# Altium PCB Xavier_NX_Carrier_Board_v1.1.PcbDoc (part 3 of 6) (continued)
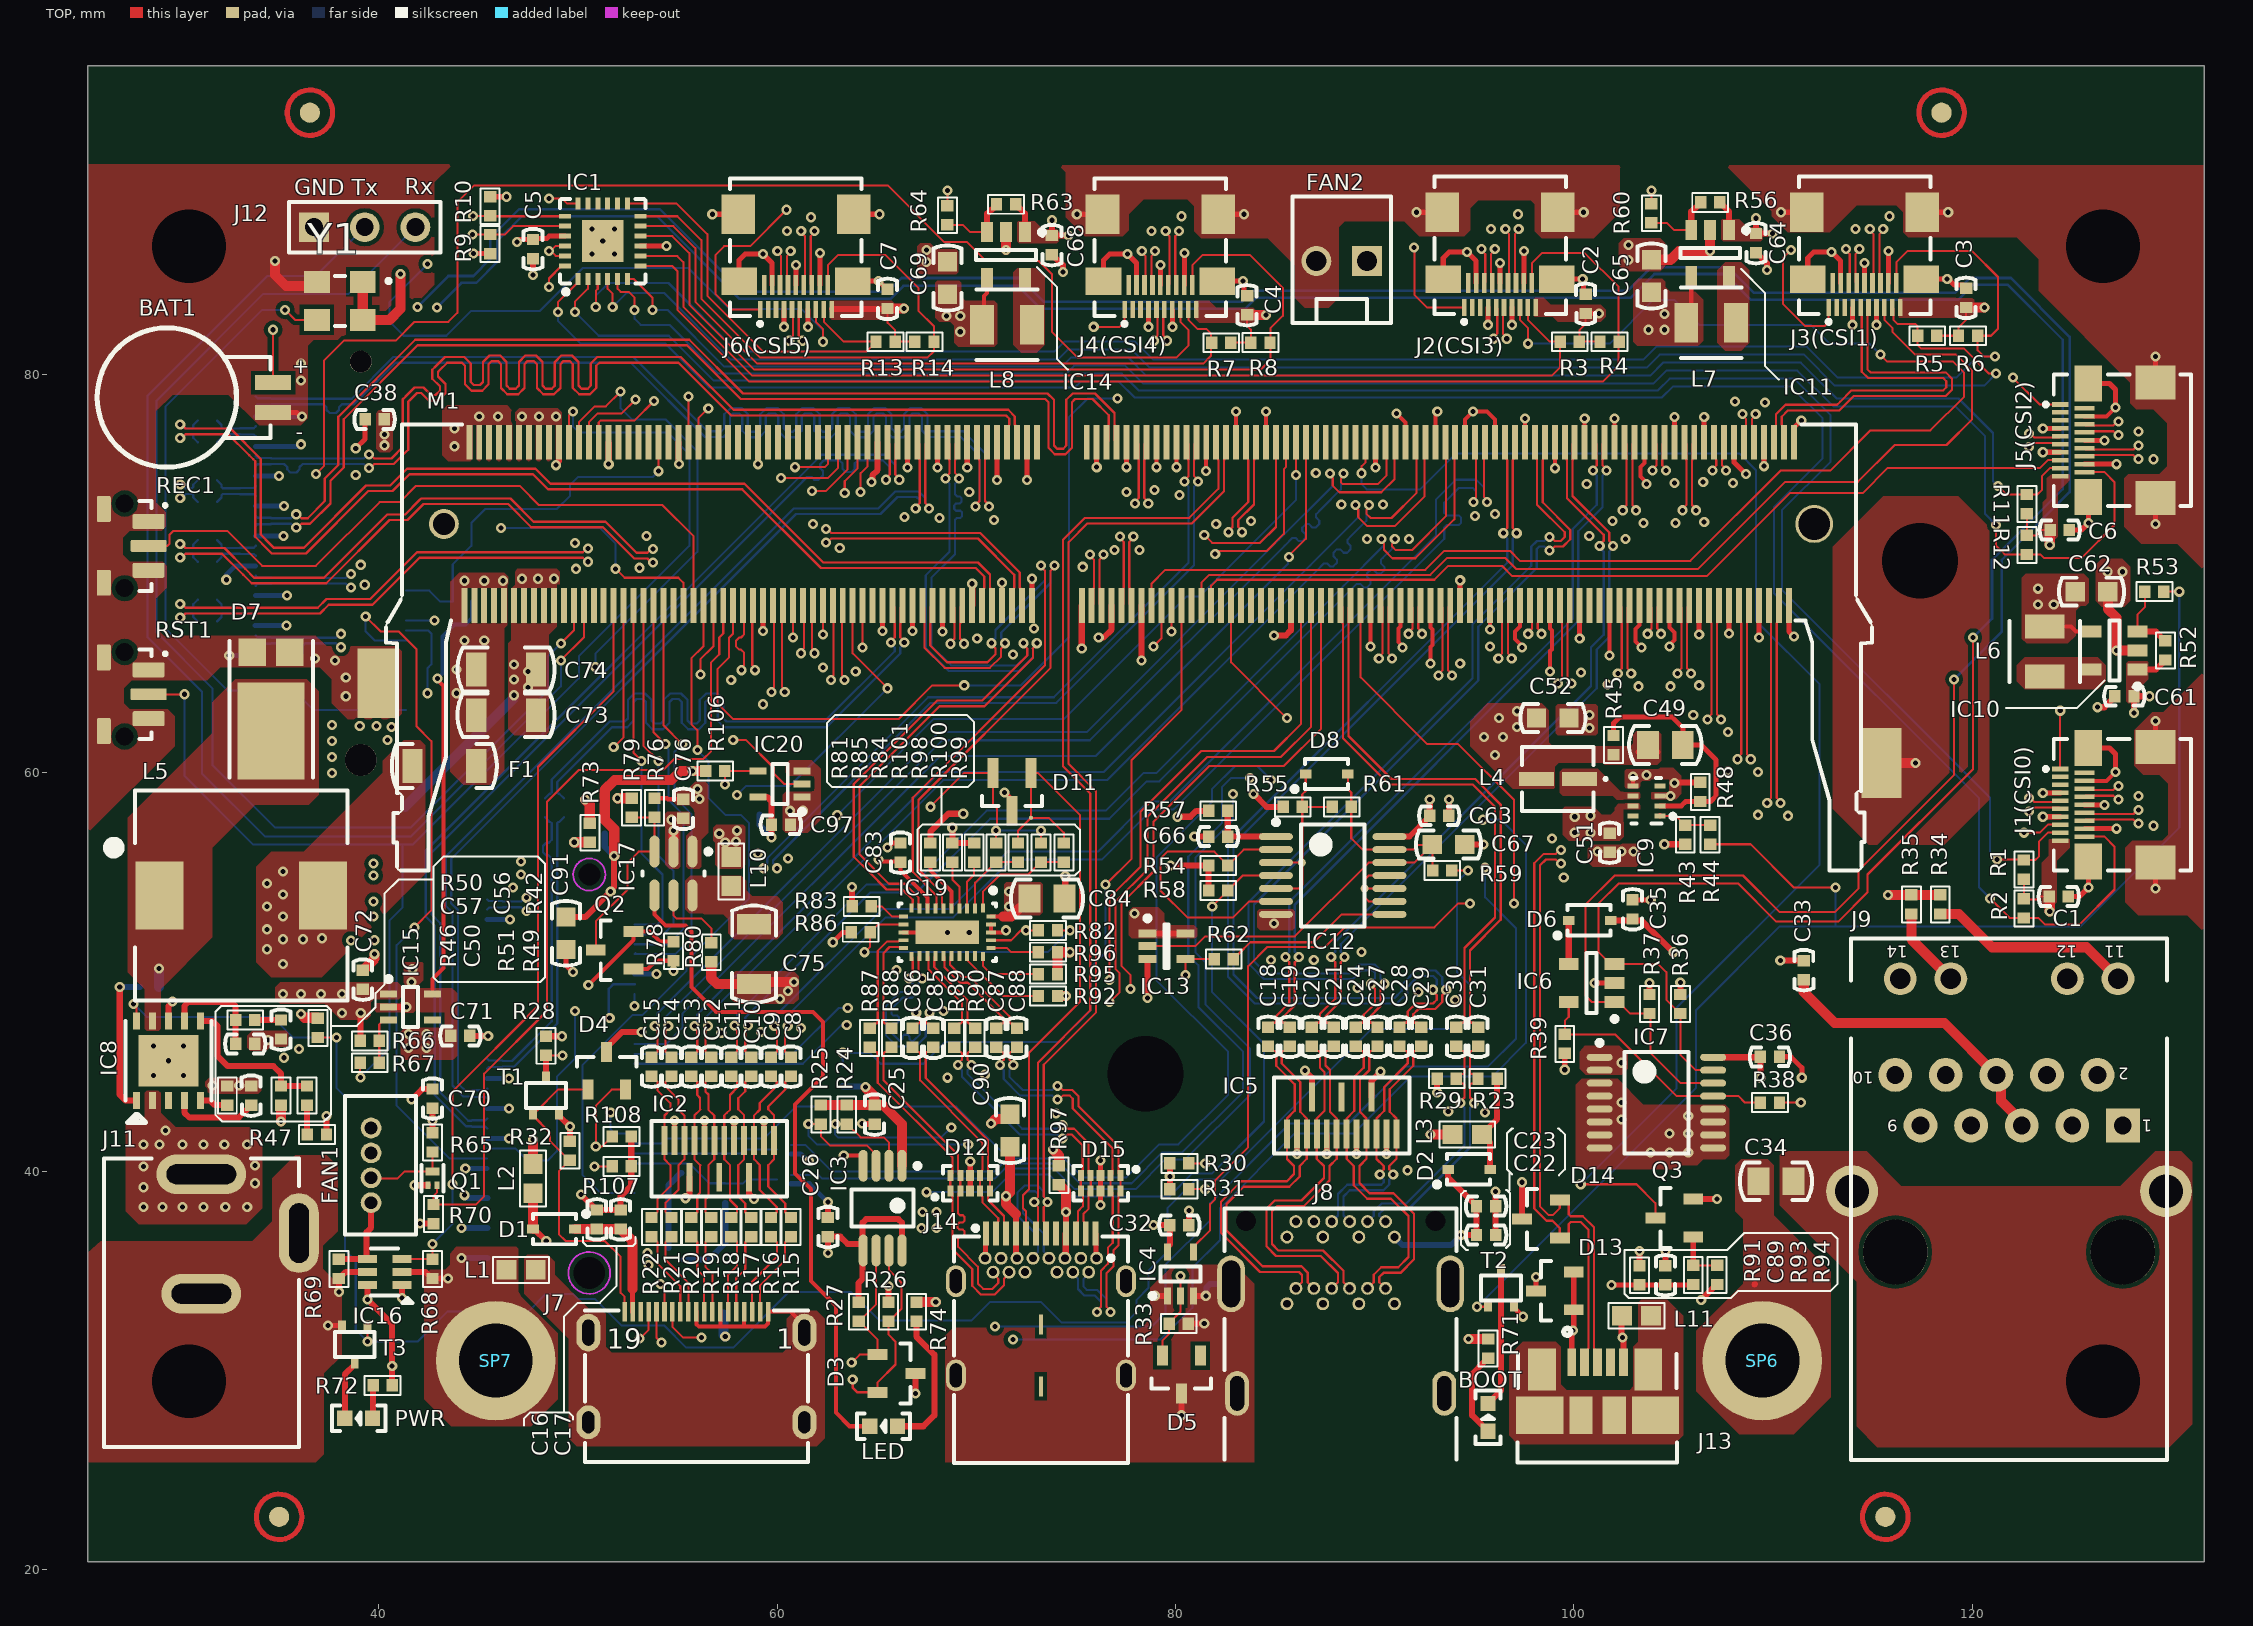
[diagram p0: TOP view]
## Nets (pads, with @x,y where several pads share a name; then routed paths per layer and width w, separated by ;. In a path a pad name is that pad's centre, name@x,y a point inside that pad or via, vN(x,y) a via of type N, cw(c..) or ccw(c..) an arc to the next point about the centre after c; other vN are vias at no path point) (continued)
  TOP w0.102: v1(48.55,86.2) v1@48.625,86.2 ; v1(48.55,88.85) 49.2,88.85 49.45,88.6 IC1.18@50,88.6 ; IC1.23@49.35,85.95 49.338,85.962 48.887,85.962 48.649,86.2 v1@48.625,86.2 ; IC1.22@49.35,86.45 48.875,86.45 v1@48.625,86.2
  TOP w0.203: v1(63.35,40.8) 64.211,40.8 64.325,40.686 IC3.4@64.325,40.275 ; IC19.13@66.35,52 v1(68.55,52) ; IC19.29@70.75,52.4 IC19.28@70.75,52 71.4,52 v1(71.5,52.1) ; M1.152@71.3,68.4 v1(71.3,69.55) ; v1(79.05,75.35) M1.129@79.05,76.6 ; v1(80.05,75.35) M1.125@80.05,76.6 ; v1(81.541,75.152) 81.541,76.591 M1.119@81.55,76.6 ; M1.113@83.05,76.6 v1(83.05,78.15) ; M1.107@84.55,76.6 v1(84.55,78.15) ; v1(89.8,66.35) M1.86@89.8,68.4 ; v1(91.1,78.05) 91.55,77.6 M1.79@91.55,76.6 ; M1.80@91.3,68.4 91.3,67.35 91.2,67.25 91.2,66.582 91.4,66.382 v1(91.4,66.3) ; v1(92.8,65.487) 92.8,66.335 92.9,66.435 92.9,67.2 92.8,67.3 M1.74@92.8,68.4 ; M1.73@93.05,76.6 93.05,77.968 93.15,78.068 v1(93.15,78.15) ; M1.67@94.55,76.6 94.55,77.75 v1(94.95,78.15) 95.65,78.15 96.05,77.75 M1.61@96.05,76.6 ; v1(95.8,67.2) M1.62@95.8,68.4 ; M1.56@97.3,68.4 97.3,67.35 97.05,67.1 97.05,66.732 97.4,66.382 v1(97.4,66.3) ; M1.55@97.55,76.6 v1(97.55,77.8) ; M1.50@98.8,68.4 98.8,67.25 98.9,67.15 98.9,66.206 98.806,66.113 v1(98.806,65.087) ; v1(99.05,75.3) M1.49@99.05,76.6 ; M1.43@100.55,76.6 v1(100.55,77.8) ; v1(101.8,65.9) M1.38@101.8,68.4 ; M1.37@102.05,76.6 v1(102.05,77.8) ; IC9.5@102.975,59.35 v1(102.975,59.825) ; M1.32@103.3,68.4 103.3,67.419 103.1,67.219 103.1,66.6 v1(103.4,66.3) ; M1.31@103.55,76.6 103.55,75.55 103.35,75.35 103.35,74.882 103.65,74.582 v1(103.65,74.5) ; v1(104.8,66.35) 104.8,66.432 105.05,66.682 105.05,67.05 104.8,67.3 M1.26@104.8,68.4 ; 125.65,59.6 126.75,59.6 v1(127.2,60.05) ; 125.65,77.9 126.75,77.9 v1(127.2,78.35)
  TOP w0.254: BAT1.-@34.7,78.1 35.884,78.1 36.084,77.9 v1(36.15,77.9) ; v1(37.45,32.25) T3.2@38.15,32.25 ; v1(38.85,76.3) 39.32,76.77 C38.1@39.32,77.75 ; C91.1@49.4,51.135 49.4,50.35 v1(49.75,50) ; IC1.9@53.15,86.45 v1(54.45,86.45) ; IC2.11@54.85,41.55 v1(54.85,42.55) ; IC2.8@56.35,41.55 v1(56.35,42.55) ; v1(56.75,88.05) 58.05,88.05 ; IC2.5@57.85,41.55 v1(57.85,42.55) ; 58.1,84.69 58.1,85.75 58.4,86.05 v1(59.3,86.05) 59.75,85.6 59.75,84.5 ; v1(59.3,67.127) M1.200@59.3,68.4 ; IC2.2@59.35,41.55 v1(59.35,42.55) ; v1(60.35,82.4) 60.35,83.275 ; 60.95,84.5 v1(60.95,85.5) ; v1(61.55,82.4) 61.55,83.275 ; 62.15,84.5 v1(62.15,86.1) ; v1(62.8,51.5) 63.3,52 R86.2@63.72,52 ; 63.8,84.69 v1(65.1,84.69) 65.115,84.69 65.525,84.28 C7.1@65.55,84.28 ; 63.85,88.05 v1(65.15,88.05) ; v1(65.3,67.127) M1.176@65.3,68.4 ; v1(65.55,56.25) 65.78,56.48 C83.2@66.2,56.48 ; v1(66.55,75.327) M1.171@66.55,76.6 ; v1(66.8,67.127) M1.170@66.8,68.4 ; v1(68.05,75.327) M1.165@68.05,76.6 ; v1(68.3,67.1) M1.164@68.3,68.4 ; v1(69.55,75.327) M1.159@69.55,76.6 ; D12.3@69.7,39.015 D12.8@69.7,39.785 v1(69.7,40.5) ; J14.B12@70.45,35.635 70.477,35.662 70.477,36.862 J14.A1@70.5,36.885 ; v1(71.05,74.7) M1.153@71.05,76.6 ; v1(71.425,59.025) 71.8,58.65 D11.3@71.8,58.1 ; v1(72.55,74.7) M1.147@72.55,76.6 ; M1.146@72.8,68.4 v1(72.8,69.75) ; v1(75.05,88.05) 76.35,88.05 ; J14.A12@76,36.885 76.023,36.862 76.023,35.662 J14.B1@76.05,35.635 ; v1(76.05,75.35) M1.141@76.05,76.6 ; v1(76.25,38.3) D15.8@76.25,39.015 D15.3@76.25,39.785 v1(76.25,40.55) ; 76.4,84.69 76.4,85.75 76.7,86.05 v1(77.6,86.05) 78.05,85.6 78.05,84.5 ; v1(77.55,75.35) M1.135@77.55,76.6 ; v1(78.65,82.4) 78.65,83.275 ; 79.25,84.5 v1(79.25,85.5) ; v1(79.85,82.4) 79.85,83.275 ; 80.45,84.5 v1(80.45,86.1) ; 82.1,84.69 v1(83.4,84.69) 83.449,84.641 83.449,84.111 C4.1@83.6,83.96 ; 82.15,88.05 v1(83.45,88.05) ; v1(86.1,40.875) IC5.2@86.1,41.875 ; v1(87.6,40.875) IC5.5@87.6,41.875 ; v1(89.1,40.875) IC5.8@89.1,41.875 ; v1(90.05,75.327) M1.85@90.05,76.6 ; v1(90.6,40.875) IC5.11@90.6,41.875 ; v1(92.1,88.15) 93.4,88.15 ; 93.45,84.79 93.45,85.85 93.75,86.15 v1(94.65,86.15) 95.1,85.7 95.1,84.6 ; M1.68@94.3,68.4 v1(94.3,69.673) ; v1(95.7,82.5) 95.7,83.375 ; 96.3,84.6 v1(96.3,85.6) ; v1(96.9,82.5) 96.9,83.375 ; T2.2@97,33.2 97,33.15 v1(97.45,32.7) ; 97.5,84.6 v1(97.5,86.2) ; D13.3@98.1,34 v1(98.1,34.7) ; 99.15,84.79 v1(100.45,84.79) 100.499,84.741 100.499,84.131 C2.1@100.6,84.03 ; 99.2,88.15 v1(100.5,88.15) ; v1(99.55,45.1) R39.1@99.55,45.92 ; v1(100.3,66.75) M1.44@100.3,68.4 ; v1(101.05,49.45) IC6.2@102.05,49.45 ; C35.1@102.95,53.63 v1(103.864,53.63) ; IC9.3@104.325,58.85 v1(104.85,58.85) ; M1.25@105.05,76.6 v1(105.05,77.873) ; v1(106.3,66.95) M1.20@106.3,68.4 ; M1.19@106.55,76.6 v1(106.55,77.873) ; v1(107.8,67) M1.14@107.8,68.4 ; M1.13@108.05,76.6 108.05,75.6 v1(108.65,75) ; v1(109.3,66.8) M1.8@109.3,68.4 ; v1(109.55,75.4) M1.7@109.55,76.6 ; C36.1@110.33,45.75 110.9,45.75 111.45,45.2 v1(111.45,44.7) ; v1(110.4,88.15) 111.7,88.15 ; M1.2@110.8,68.4 110.8,67.1 v1(111.05,66.85) ; M1.1@111.05,76.6 111.05,77.325 v1(111.425,77.7) ; 111.75,84.79 111.75,85.85 112.05,86.15 v1(112.95,86.15) 113.4,85.7 113.4,84.6 ; v1(114,82.5) 114,83.375 ; 114.6,84.6 v1(114.6,85.6) ; v1(115.2,82.5) 115.2,83.375 ; 115.8,84.6 v1(115.8,86.2) ; 117.45,84.79 v1(118.75,84.79) 118.819,84.79 119.121,84.488 119.542,84.488 C3.1@119.7,84.33 ; 117.5,88.15 v1(118.8,88.15) ; v1(123.55,57.8) 124.425,57.8 ; v1(123.55,59) 124.425,59 ; v1(123.55,76.1) 124.425,76.1 ; v1(123.55,77.3) 124.425,77.3 ; C1.1@124.83,53.8 125.39,53.8 v1(125.84,54.25) 125.84,55.55 ; C6.1@124.88,72.2 125.49,72.2 v1(125.84,72.55) 125.84,73.85 ; 125.65,57.2 v1(127.25,57.2) ; 125.65,58.4 v1(126.65,58.4) ; 125.65,75.5 v1(127.25,75.5) ; 125.65,76.7 v1(126.65,76.7) ; 125.84,61.25 126.9,61.25 127.2,60.95 v1(127.2,60.05) ; 125.84,79.55 126.9,79.55 127.2,79.25 v1(127.2,78.35) ; v1(129.2,54.2) 129.2,55.5 ; 129.2,61.3 v1(129.2,62.6) ; v1(129.2,72.5) 129.2,73.8 ; 129.2,79.6 v1(129.2,80.9)
  TOP w0.305: IC8.8@29.45,47.55 29.45,48.295 v1@29.65,48.495 ; v1(38,33.95) R69.1@38,34.62 38.025,34.62 38.355,34.95 IC16.5@39.43,34.95 ; IC15.2@40.5,48.25 v1(41.4,48.25) ; IC16.2@41.17,34.95 42.345,34.95 42.675,34.62 R68.2@42.7,34.62 v1(43.48,34.62) ; v1(41.65,43.6) 42.18,44.13 C70.1@42.7,44.13 ; C71.1@44.58,46.8 v1(45.5,46.8) ; v1(47.75,85) C5.1@47.75,85.82 ; v1(48.9,75.45) 48.9,75.505 49.048,75.653 49.048,76.598 M1.241@49.05,76.6 ; T1.2@49.05,42.85 49.05,42.8 49.098,42.752 49.1,42.752 v1(49.6,42.252) R32.1@49.6,41.51 ; v1(50.15,38.835) 50.925,38.06 C16.1@50.95,38.06 C17.1@52.15,38.06 52.15,38.75 52.68,39.28 R107.1@52.68,40.25 R108.1@52.68,41.75 ; D4.3@51.45,46 51.45,46.225 52.225,47 v1(53.2,47) ; v1(51.55,75.5) M1.231@51.55,76.6 ; v1@55.05,75.5 M1.217@55.05,76.6 ; v1(59.05,75.5) M1.201@59.05,76.6 ; C26.1@62.55,37.68 v1(62.55,38.45) ; v1@64.27,42.37 C25.1@64.9,42.37 ; v1(64.75,74.6) 64.789,74.639 64.789,74.939 65.05,75.2 M1.177@65.05,76.6 ; v1(66.95,28.85) D3.3@66.95,29.85 ; C69.1@68.55,85.665 C69.1@68.55,85.67 ; M1.158@69.8,68.4 v1(69.8,69.5) ; C68.1@73.8,86.02 73.825,86.02 74.35,85.495 v1(74.35,85.15) ; C84.2@74.425,53.7 74.47,53.745 v1(74.47,54.82) ; v1(75.3,66.25) M1.144@75.3,68.4 ; v1(76.15,66.8) 76.4,66.8 76.8,67.2 M1.138@76.8,68.4 ; v1(78.3,65.65) M1.132@78.3,68.4 ; v1(78.6,48.7) IC13.3@78.6,50.65 ; v1(78.973,33.75) IC4.1@79.6,33.75 ; IC4.1@79.577,33.7 IC4.1@79.6,33.723 ; R31.2@79.72,39.1 v1(79.72,39.75) R30.2@79.72,40.4 ; v1(80.3,27.75) D5.3@80.3,28.85 ; R33.2@80.65,32.35 v1(81.45,32.35) ; C32.2@80.68,37.3 v1(80.68,38.03) ; IC4.3@80.9,33.75 v1(81.527,33.75) ; v1(80.95,56.8) C66.1@81.67,56.8 ; v1(84.95,66.9) 85.541,66.9 85.8,67.159 M1.102@85.8,68.4 ; R29.2@93.145,44.65 v1(93.145,43.955) v1@93.15,43.95 ; C63.2@93.73,57.85 v1(93.73,58.67) ; C67.1@94.53,56.4 v1(95.465,56.4) ; C22.1@96.08,36.8 C23.1@96.08,38.25 v1(96.08,38.98) ; D14.3@97.4,37.6 v1(97.4,39.45) ; L11.2@102.415,32.75 102.4,32.735 102.4,31.7 v1(102.45,31.65) 102.5,31.6 J13.5@102.5,30.413 ; C65.1@103.9,85.765 C65.1@103.9,85.77 ; C89.1@104.6,35.26 v1(104.6,36) ; v1(105.05,59.5) 105.065,59.515 106.335,59.515 R48.1@106.35,59.53 ; Q3.2@106,38.6 v1(107.2,38.6) ; v1(106.4,33.545) 107.175,34.32 R94.1@107.2,34.32 ; 109.07,34.32 109.1,34.35 ; C64.1@109.175,86.12 109.7,85.595 v1(109.7,85.25) ; v1(110.37,50.58) C33.1@111.55,50.58 ; v1(126.3,63.3) 126.645,63.3 C61.1@127.17,63.825 ; C62.1@126.815,69.1 C62.1@126.82,69.1
  TOP w0.508: v1(34.8,85.7) 34.8,85 35.35,84.45 Y1.2@37,84.45 ; v1(35.1,42.5) R51.1@35.1,43.32 ; C72.1@39.2,50.1 39.225,50.1 39.8,50.675 v1(39.8,50.9) ; v1(52,58.73) R79.1@52.7,58.73 ; IC17.2@54.8,56.05 v1(54.8,57.1) ; R80.1@56.7,50.52 56.7,49.7 57,49.4 C75.1@58.85,49.4 58.95,49.5 v1(60.85,49.5) ; v1(70.75,42.4) 70.984,42.634 71.474,42.634 71.7,42.86 C90.1@71.7,42.865 ; v1(71.5,86.25) IC14.2@71.5,87.15 ; v1(73.85,41.1) 74.15,40.8 R97.1@74.15,40.28 ; C65.1@103.9,85.765 104.865,85.765 105.3,86.2 v1(106.85,86.2) IC11.2@106.85,87.25 ; M1.262@115.45,60.5 v1(117.15,60.5) ; C62.1@126.815,69.1 126.815,68.235 127.25,67.8 v1(127.25,66.15) IC10.2@128.3,66.15
  BOTTOM w0.203: v1(52,58.73) v1@52.058,58.672 ; C92.1@52.525,57.93 C92.1@52.55,57.93
  BOTTOM w0.254: v1(32.35,69.7) 32.35,69.95 32.8,70.4 J10.39@33.825,70.4 ; v1@32.4,65.9 v1(32.5,65.9) J10.57@33.825,65.9 ; J10.51@33.8,67.4 J10.51@33.825,67.4 v1(35.375,67.4) ; J10.45@33.825,68.9 v1(35.4,68.9) ; J10.33@33.825,71.9 v1(35.225,71.9) ; J10.27@33.825,73.4 v1(35.25,73.4) ; J10.21@33.825,74.9 v1(35,74.9) ; J10.15@33.825,76.4 35.931,76.4 36.031,76.5 v1(36.1,76.5) ; J10.9@33.825,77.9 v1(36.15,77.9) ; v1(44.35,40.15) J15.57@45.45,40.15 ; J15.51@45.45,41.65 v1(46.55,41.65) ; J15.45@45.45,43.15 v1(46.55,43.15) ; J15.39@45.45,44.65 v1(46.55,44.65) ; J15.7@45.45,52.65 v1(46.6,52.65) ; J15.18@52.85,49.9 v1(53.95,49.9) ; Q5.2@60.7,39.375 61.625,39.375 v1(62.55,38.45) ; Q4.2@60.7,40.875 61.175,40.875 61.537,40.513 v1(61.6,40.513)
  BOTTOM w0.305: v1(44.15,35.65) J15.75@45.45,35.65 ; v1(44.15,37.15) J15.69@45.45,37.15 ; v1(44.3,38.8) 44.45,38.65 J15.63@45.45,38.65 ; v1(81.527,33.75) 81.566,33.789 81.566,34.171 81.745,34.35 J8.21@82.8,34.35
  BOTTOM w0.508: C37.1@41.315,58.3 41.32,58.3 46.8,63.78 v1(46.8,63.9) ; C95.1@57.315,32.8 57.315,31.785 v1(57.4,31.7)
  other v1: 91.65,40.05 103.85,40.95 104.8,40.95 105.75,40.95 104.8,41.9 105.75,41.9 64.27,42.395 102.4,42.6 105.75,42.779 74,42.9 95.55,42.95 93.7,43 102.4,43.45 31.65,44.3 33,44.3 68.55,44.7 28.7,44.8 30.2,44.8 70.45,44.85 29.45,45.55 35.25,45.7 36,46.15 28.7,46.3 30.2,46.3 34.45,46.6 57.2,46.95 59.2,47 61.2,47.2 68.35,48.05 29.65,48.523 94.05,48.6 60.15,48.65 92.2,49 60.55,49.05 67.75,49.1 89.15,49.2 41.65,49.5 66,50.1 41.7,50.15 84.8,50.6 86.95,50.6 89.344,51.01 38.604,51.591 39.8,51.6 69.65,52 84.95,52.45 39.75,52.8 39.75,53.55 46.75,54.25 99.5,54.75 39.75,54.85 47.15,54.9 39.75,55.45 47.15,55.55 60.55,55.7 59.05,55.95 101.2,56.05 102.4,56.05 103,56.05 98.9,56.7 129.1,57.35 54.7,57.65 110.75,57.848 109.25,57.898 60.65,58.1 61.3,58.1 128.35,58.85 103.65,59.9 37.65,60 109.25,60.05 107.75,60.1 37.65,60.8 37.65,61.6 107.75,62.05 100.8,62.25 37.65,62.4 100.8,62.9 106,62.9 59.3,63.45 38.35,63.85 47.5,64.3 103.25,64.35 104.85,64.35 106.3,64.4 101.7,64.45 57.7,64.659 46.8,64.7 38.35,64.8 100.356,65.037 47.5,65.1 63.95,65.1 62.3,65.3 46.8,65.45 94.3,65.487 37.8,65.65 36.8,65.75 71.85,65.95 95.8,66.35 70.05,66.75 72.9,67.25 39.3,69.45 47.2,69.75 48,69.75 48.8,69.75 126.8,70.1 127.55,70.1 49.9,70.25 53.1,70.3 75.35,70.35 39.1,70.45 117.385,70.65 76.95,71.2 78.2,71.2 63.15,71.3 49.85,71.55 89.625,71.753 91.725,71.753 102.6,71.75 53.45,71.9 100.779,71.9 61.8,72.5 82.05,72.5 103.5,72.55 105.1,72.55 106.55,72.6 83.8,72.65 101.95,72.65 70.9,72.7 68.15,72.8 66.4,72.85 95.05,72.9 96.05,73 88.329,73.471 90.429,73.471 80.2,73.95 69.65,74.1 77.55,74.1 78.95,74.2 100.653,74.5 105.05,74.55 108,74.55 106.5,74.6 38.85,74.95 87.05,75.05 55.07,75.504 129.1,75.75 128.35,77.15 47.2,77.9 48.05,77.9 48.9,77.9 109.6,78.6 108.1,78.65 36.1,79.7 36.1,80.55 67.5,85.65 102.75,85.75 50.7,86.05 51.85,86.05 67.5,86.25 102.75,86.5 51.25,86.7 60.5,87.2 78.8,87.2 50.7,87.3 51.85,87.3 95.85,87.3 114.15,87.3 61.7,87.9 80.3,87.95 115.85,87.95 97.2,88.05
HDMI_PWR: C26.2 D1.A IC2.13 IC2.15 IC3.5 IC3.8 L2.2 R26.2 R27.2 | length 16.2
  TOP w0.305: D1.A@47.745,37.1 47.815,37.1 v1(48.415,36.5) ; v1(55.4,38.65) 55.598,38.848 55.598,39.698 IC2.15@55.6,39.7 ; IC2.13@58.6,39.7 58.602,39.698 58.602,38.848 v1(58.85,38.6) ; v1(62.55,35.9) C26.2@62.55,36.72 63.18,36.72 63.55,36.35 64.258,36.35 IC3.5@64.3,36.308 ; R27.2@64.1,33.43 64.1,34.4 64.3,34.6 64.3,36 IC3.5@64.325,36.025 64.325,36.283 IC3.5@64.3,36.308 ; R26.2@65.6,33.43 v1(65.6,34.25) ; IC3.8@66.275,36.025 66.275,37.421 66.096,37.6 64.479,37.6 64.3,37.421 IC3.5@64.3,36.308
  TOP w0.508: D1.A@47.745,37.1 L2.2@47.745,38.9
HDMI_SHIELD: J7.1 J7.4 J7.7 J7.10 J7.Shell L1.2 | length 9
  TOP w0.203: J7.10@55.95,32.95 55.963,32.937 55.963,32.319 56.082,32.2 57.241,32.2 ; J7.7@57.15,32.95 57.163,32.937 57.163,32.278 57.241,32.2 ; J7.4@58.35,32.95 58.35,32.25 58.4,32.2 ; J7.Shell@61.375,31.9 61.375,32.25 60.675,32.95 J7.1@59.55,32.95 59.55,32.35 59.4,32.2 58.4,32.2 ; 57.241,32.2 58.4,32.2
I2S1_LRCK: J15.10 M1.224 | length 18.8
  TOP w0.102: M1.224@53.3,68.4 53.3,61.35 v1(54.05,60.6)
  BOTTOM w0.102: J15.10@52.85,51.9 54.3,51.9 54.8,52.4 54.8,55.1 54.05,55.85 v1(54.05,60.6)
I2S1_SCLK: J15.8 M1.226 | length 17.9
  TOP w0.102: M1.226@52.8,68.4 52.8,61 v1(53.2,60.6)
  BOTTOM w0.102: J15.8@52.85,52.4 54,52.4 54.25,52.65 54.25,54.9 53.2,55.95 v1(53.2,60.6)
I2S1_SDIN: J15.12 M1.222 | length 19.6
  TOP w0.102: M1.222@53.8,68.4 53.8,62.05 v1(54.4,61.45)
  BOTTOM w0.102: J15.12@52.85,51.4 54.55,51.4 55.3,52.15 55.3,57.9 54.55,58.65 54.55,61.19 54.4,61.34 v1(54.4,61.45)
I2S1_SDOUT: J15.14 M1.220 | length 20.8
  TOP w0.102: M1.220@54.3,68.4 54.3,62.4 v1(55.25,61.45)
  BOTTOM w0.102: J15.14@52.85,50.9 J15.14@52.9,50.95 ; J15.14@52.9,50.9 54.9,50.9 55.7,51.7 55.7,57.95 54.85,58.8 54.85,61.05 v1(55.25,61.45)
M2_ALERT: J10.44 M1.221 R40.1 | length 19.2
  TOP w0.102: v1(54.05,75.15) M1.221@54.05,76.6
  BOTTOM w0.102: J10.44@41.375,69.15 42.55,69.15 43.1,68.6 R40.1@43.72,68.6 43.72,70.47 44.65,71.4 44.65,72.55 45.35,73.25 48.95,73.25 49.6,73.9 49.6,74.45 50,74.85 53.75,74.85 v1(54.05,75.15)
M2E_ALERT#: J15.62 M1.212 R102.1 | length 37.2
  TOP w0.102: v1(56,61.15) 56,62.15 55.7,62.45 55.7,65.75 56.3,66.35 M1.212@56.3,68.4
  BOTTOM w0.102: J15.62@52.85,38.9 51.15,38.9 50.225,39.825 50.225,45.325 52.75,47.85 53.25,47.85 55.45,50.05 55.45,50.55 58.6,53.7 58.6,57.47 R102.1@58.17,57.9 57.405,57.9 56.55,58.755 56.55,60.6 v1(56,61.15)
M2E_SUSCLK_32KHZ: IC20.4 J15.50 R106.1 | length 42.1
  TOP w0.102: v1(57.38,59.42) R106.1@57.38,60.1 IC20.4@59.05,60.1
  L4_SIG w0.127: v1(51.65,42.95) 48.55,42.95 47.95,42.35 45.247,42.35 43.6,43.997 43.6,56.85 46.45,59.7 54.3,59.7 55.2,60.6 56.2,60.6 v1(57.38,59.42)
  BOTTOM w0.102: v1(51.65,42.95) 51.65,42.1 51.85,41.9 J15.50@52.85,41.9
M2M_SUSCLK_32KHZ: J10.68 Y1.3 | length 34.7
  TOP w0.102: v1(35.3,83.25) 35.8,82.75 Y1.3@36.9,82.75
  BOTTOM w0.102: v1(35.3,83.25) 34.15,83.25 29.3,78.4 29.3,67.25 32.4,64.15 35.75,64.15 36.75,63.15 J10.68@41.375,63.15
ML_C_LANE0_N: C19.2 IC5.3 J8.5 | length 18.9
  TOP w0.114: C19.2@85.75,46.27 85.522,46.042 85.407,46.042 85.34,45.975 85.34,45.41 86.266,44.484 86.266,42.984 86.6,42.65 IC5.3@86.6,41.875 86.6,40.625 86.24,40.265 86.24,39.745 85.716,39.221 83.427,39.221 82.566,38.359 82.566,37.034 84.371,35.229 86.326,35.229 86.64,34.916 86.64,34.435 J8.5@86.95,34.125
ML_C_LANE0_P: C18.2 IC5.1 J8.3 | length 18.9
  TOP w0.114: C18.2@84.65,46.27 84.878,46.042 84.993,46.042 85.06,45.975 85.06,45.295 85.987,44.368 85.987,43.037 85.6,42.65 IC5.1@85.6,41.875 85.6,40.621 85.96,40.26 85.96,39.86 85.6,39.5 83.312,39.5 82.287,38.475 82.287,36.918 82.368,36.837 84.255,34.95 86.21,34.95 86.36,34.8 86.36,34.435 J8.3@86.05,34.125
ML_C_LANE1_N: C21.2 IC5.6 J8.11 | length 17.7
  TOP w0.114: C21.2@87.95,46.27 87.722,46.042 87.607,46.042 87.54,45.975 87.54,45.31 87.766,45.084 87.766,42.984 88.1,42.65 IC5.6@88.1,41.875 88.1,40.625 87.74,40.265 87.74,39.545 86.445,38.25 85.1,38.25 84.85,38 84.85,36.35 85.171,36.029 87.416,36.029 88.44,35.005 88.44,34.435 J8.11@88.75,34.125
ML_C_LANE1_P: C20.2 IC5.4 J8.9 | length 17.7
  TOP w0.114: C20.2@86.85,46.27 87.078,46.042 87.193,46.042 87.26,45.975 87.26,45.195 87.487,44.968 87.487,43.037 87.1,42.65 87.1,40.621 87.46,40.26 87.46,39.66 86.329,38.529 84.984,38.529 84.571,38.116 84.571,36.234 85.055,35.75 87.3,35.75 88.16,34.89 88.16,34.435 J8.9@87.85,34.125
ML_C_LANE2_N: C27.2 IC5.9 J8.17 | length 16
  TOP w0.114: C27.2@90.15,46.27 89.922,46.042 89.807,46.042 89.74,45.975 89.74,45.09 89.266,44.616 89.266,42.984 89.6,42.65 IC5.9@89.6,41.875 89.6,40.625 89.24,40.265 89.24,39.41 89.75,38.9 90.945,38.9 91.979,37.866 91.979,35.579 91.3,34.9 90.45,34.9 90.24,34.69 90.24,34.435 J8.17@90.55,34.125
ML_C_LANE2_P: C24.2 IC5.7 J8.15 | length 16.1
  TOP w0.114: C24.2@89.05,46.27 89.278,46.042 89.393,46.042 89.46,45.975 89.46,45.205 88.987,44.732 88.987,43.037 88.6,42.65 88.6,40.621 88.96,40.26 88.96,39.295 89.634,38.621 90.829,38.621 91.7,37.75 91.7,35.695 91.184,35.179 90.334,35.179 89.96,34.805 89.96,34.435 J8.15@89.65,34.125
ML_C_LANE3_N: C29.2 IC5.12 J8.12 | length 12
  TOP w0.114: v1(90.937,39.836) 90.937,39.903 90.74,40.1 90.74,40.265 91.1,40.625 IC5.12@91.1,41.875 91.1,42.65 90.766,42.984 90.766,44.121 91.94,45.295 91.94,45.975 92.007,46.042 92.122,46.042 C29.2@92.35,46.27
  BOTTOM w0.114: J8.12@88.75,37.475 88.44,37.785 88.44,38.74 88.75,39.05 90.45,39.05 90.74,39.34 90.74,39.572 90.937,39.769 v1(90.937,39.836)
ML_C_LANE3_P: C28.2 IC5.10 J8.10 | length 12.1
  TOP w0.114: v1(90.263,39.836) 90.263,39.903 90.46,40.1 90.46,40.26 90.1,40.621 IC5.10@90.1,41.875 90.1,42.65 90.487,43.037 90.487,44.237 91.66,45.41 91.66,45.975 91.593,46.042 91.478,46.042 C28.2@91.25,46.27
  BOTTOM w0.114: J8.10@87.85,37.475 88.16,37.785 88.16,38.855 88.634,39.329 90.334,39.329 90.46,39.455 90.46,39.572 90.263,39.769 v1(90.263,39.836)
NetBOOT_A: BOOT.A R71.1 | length 4.3
  TOP w0.305: BOOT.A@95.7,26.952 94.9,27.751 94.9,29.82 95.542,30.462 95.542,30.487 95.675,30.62 R71.1@95.7,30.62
NetBOOT_K: BOOT.K T2.3 | length 7
  TOP w0.305: BOOT.K@95.7,28.349 96.35,28.999 T2.3@96.35,35.1
NetC16_2: C16.2 C17.2 D1.C J7.18 | length 6.7
  TOP w0.254: J7.18@52.75,32.95 52.75,34.1
  TOP w0.508: D1.C@49.855,37.1 C16.2@50.95,37.1 C17.2@52.15,37.1 52.175,37.1 52.206,37.069 52.206,37.044 52.75,36.5 52.75,34.1
NetC22_2: C22.2 C23.2 D2.C J8.20 | length 8.4
  TOP w0.305: D2.C@93.695,40.1 93.695,39.675 C23.2@95.12,38.25 C22.2@95.12,36.8 v1(94.35,36.8)
  BOTTOM w0.305: J8.20@91,36.7 91.4,36.3 93.844,36.3 94.344,36.8 v1(94.35,36.8)
NetC33_2: C33.2 J9.5 J9.6 | length 15.1
  TOP w0.508: C33.2@111.55,49.62 111.55,49 113.1,47.45 118.61,47.45 J9.6@121.22,44.84 121.448,44.612 121.448,43.538 122.49,42.496 J9.5@122.49,42.3
NetC48_1: C48.1 IC8.1 | length 7.4
  TOP w0.305: v1(27,49.25) 27,43.85 27.3,43.55 IC8.1@27.85,43.55
  BOTTOM w0.305: v1(27,49.25) C48.1@28.02,49.25
NetC48_2: C48.2 D7.C IC8.9 L5.1 | length 0.9
  BOTTOM w0.508: C48.2@28.98,49.25 v1(28.98,50.18)
NetC49_1: C49.1 IC9.2 R45.1 R48.2 | length 12.1
  TOP w0.254: R45.1@102,61.88 102,62.5 102.3,62.8 104.95,62.8 105.475,62.275 C49.1@105.475,61.4 106.4,61.4 107.15,60.65 107.15,58.85 106.87,58.57 R48.2@106.35,58.57 105.62,58.57 105.4,58.35 IC9.2@104.325,58.35
NetC50_2: C50.2 IC8.4 | length 4.3
  TOP w0.305: IC8.4@30.25,43.55 30.25,42.95 30.5,42.7 32.98,42.7 C50.2@33.6,43.32
NetC56_2: C56.2 R50.1 | length 1.3
  TOP w0.305: R50.1@33.78,47.6 C56.2@35.1,47.6
NetC57_2: C57.2 IC8.7 R50.2 | length 5.4
  TOP w0.305: IC8.7@30.25,47.55 30.25,48.3 30.45,48.5 32.6,48.5 32.82,48.28 C57.2@32.82,46.4
NetC75_2: C75.2 IC17.6 L10.1
NetC89_2: C89.2 D13.1 D13.2 J13.1 R91.1 R93.2 | length 12.4
  TOP w0.102: R93.2@105.98,34.3 R93.2@106,34.32
  TOP w0.254: J13.1@99.9,30.413 99.9,31.95 v1(99.95,32) 100,32.05 D13.1@100,33.05 D13.2@100,34.95 ; v1(101.9,34.3) R91.1@103.3,34.3 C89.2@104.6,34.3 R93.2@105.98,34.3
  L4_SIG w0.254: v1(99.95,32) 99.95,33.35 100.9,34.3 v1(101.9,34.3)
NetFAN1_3: FAN1.3 Q1.3 R65.1 | length 4.2
  TOP w0.102: FAN1.3@39.62,39.675 39.645,39.65 40.95,39.65 41.3,40 Q1.3@42.7,40 R65.1@42.7,40.97
NetFAN1_4: FAN1.4 IC16.4 R69.2 | length 4.4
  TOP w0.305: R69.2@38,35.58 38.01,35.59 39.42,35.59 IC16.4@39.43,35.6 39.4,35.63 39.4,36.95 39.62,37.17 FAN1.4@39.62,38.425
NetIC8_5: IC8.5 R46.2 | length 1.4
  TOP w0.305: IC8.5@31.05,43.55 31.55,43.55 31.78,43.32 R46.2@32.4,43.32
NETIC8_6: IC8.6 R49.1 R51.2 | length 7.9
  TOP w0.305: IC8.6@31.05,47.55 31.65,47.55 31.9,47.3 31.9,45.8 32.42,45.28 34.72,45.28 35.1,44.9 R51.2@35.1,44.28 R49.1@36.4,44.28
NetIC9_1: IC9.1 R43.1 R44.2 | length 2.7
  TOP w0.102: IC9.1@104.325,57.85 105.13,57.85 R43.1@105.6,57.38 R44.2@106.85,57.38
NETIC9_6: IC9.6 L4.1
NetIC10_3: IC10.3 R52.1 R53.2 | length 3.8
  TOP w0.102: IC10.3@128.3,67.1 128.3,67.95 128.67,68.32 R53.2@128.67,69.1
  TOP w0.305: IC10.3@128.3,67.1 129.23,67.1 129.409,66.921 129.409,66.896 129.675,66.63 R52.1@129.7,66.63
NETIC10_6: IC10.6 L6.1
NetIC11_3: IC11.3 R56.1 R60.2 | length 3.8
  TOP w0.102: R60.2@103.9,87.62 104.68,87.62 105.05,87.25 IC11.3@105.9,87.25
  TOP w0.305: IC11.3@105.9,87.25 105.9,88.18 106.079,88.359 106.104,88.359 106.37,88.625 R56.1@106.37,88.65
NetIC11_6: IC11.6 L7.1
NetIC12_2: IC12.2 IC12.6 R54.1 | length 14.9
  TOP w0.102: IC12.6@85.05,53.55 83.7,53.55 82.9,52.75 80.6,52.75 79.25,54.1 79.25,55.7 79.6,56.05 81.955,56.05 82.63,55.375 R54.1@82.63,55.35 83.43,56.15 IC12.2@85.05,56.15
NetIC12_8: IC12.8 R62.1 | length 8.8
  TOP w0.102: R62.1@82.91,50.65 82.91,50.675 83.144,50.909 83.169,50.909 83.76,51.5 86.95,51.5 88.35,52.9 IC12.8@90.75,52.9
NetIC12_9: IC12.9 IC12.10 IC12.11 pad.@89.5,54.2 | length 4.8
  TOP w0.102: IC12.9@90.75,53.55 89.7,53.55 89.5,53.75 pad.@89.5,54.2 ; IC12.10@90.75,54.2 pad.@89.5,54.2 ; IC12.11@90.75,54.85 89.7,54.85 89.5,54.65 pad.@89.5,54.2
NetIC14_3: IC14.3 R63.1 R64.2 | length 3.8
  TOP w0.102: R64.2@68.55,87.52 69.33,87.52 69.7,87.15 IC14.3@70.55,87.15
  TOP w0.305: IC14.3@70.55,87.15 70.55,88.08 70.729,88.259 70.754,88.259 71.02,88.525 R63.1@71.02,88.55
NetIC14_6: IC14.6 L8.1
NetIC15_3: IC15.3 R66.1 R67.2 | length 2.5
  TOP w0.102: R67.2@40.03,45.45 R66.1@40.03,46.55 40.03,47.38 40.25,47.6 IC15.3@40.5,47.6
NetIC17_3: IC17.3 Q2.3 R76.1 R79.2 | length 9.5
  TOP w0.102: Q2.3@50.9,51.1 50.9,52.55 52.5,54.15 52.5,55.5 53.05,56.05 IC17.3@53.85,56.05 R76.1@53.85,57.77 R79.2@52.7,57.77
NetIC17_4: IC17.4 LED.K | length 36.3
  TOP w0.203: IC17.4@53.85,53.85 53.85,52.9 54.4,52.35 55.4,52.35 55.7,52.05 55.7,49.25 56.95,48 61.8,48 62.3,47.5 62.3,44.75 60.9,43.35 60.9,39.9 61.7,39.1 61.7,34.5 62.95,33.25 62.95,27.9 63.65,27.2 LED.K@64.651,27.2
NetIC17_5: IC17.5 R80.2 | length 3.9
  TOP w0.102: IC17.5@54.8,53.85 54.8,52.85 54.95,52.7 56.2,52.7 56.7,52.2 R80.2@56.7,51.48
NetIC19_3: IC19.3 R84.2 | length 2.5
  TOP w0.102: IC19.3@69.55,53.2 69.55,54.55 69.9,54.9 R84.2@69.9,55.52
NetIC19_4: IC19.4 R85.2 | length 2.5
  TOP w0.102: R85.2@68.8,55.52 68.8,54.65 69.15,54.3 IC19.4@69.15,53.2
NetIC19_5: IC19.5 R81.1 | length 2.8
  TOP w0.203: R81.1@67.7,55.52 67.7,55.1 68.75,54.05 IC19.5@68.75,53.2
NetIC19_11: IC19.11 R83.1 | length 1.8
  TOP w0.102: R83.1@64.73,53.3 65.265,53.3 65.765,52.8 IC19.11@66.35,52.8
NetJ7_13: J7.13 R107.2 | length 14.5
  TOP w0.102: v1@50.85,40.25 R107.2@51.72,40.25 ; J7.13@54.75,32.95 54.75,32.2 55.3,31.65 v1(56.2,31.65)
  L4_SIG w0.127: v1(50.837,40.245) 52.75,38.331 52.75,34.45 55.55,31.65 v1(56.2,31.65)
NetJ9_11: J9.11 R34.1 | length 10.3
  TOP w0.508: R34.1@118.4,52.92 119.33,52.92 121,51.25 125.744,51.25 J9.11@127.324,49.67
NetJ9_13: J9.13 R35.1 | length 4.1
  TOP w0.508: R35.1@116.95,52.92 116.95,51.654 J9.13@118.934,49.67
NetLED_A: LED.A R74.2 | length 7.2
  TOP w0.305: LED.A@66.048,27.2 67.35,27.2 67.9,27.75 67.9,30.8 67,31.7 R74.2@67,32.47
NetPWR_A: PWR.A R72.1 | length 1.7
  TOP w0.305: PWR.A@39.699,27.6 39.709,27.611 39.709,29.239 R72.1@39.72,29.25
NetPWR_K: PWR.K T3.3 | length 3
  TOP w0.305: PWR.K@38.302,27.6 38.302,29.802 38.8,30.3 T3.3@38.8,30.35
NetQ3_1: Q3.1 R93.1 R94.2 | length 2.6
  TOP w0.102: R93.1@106,35.28 R94.2@107.2,35.28
  TOP w0.254: R93.1@106,35.28 Q3.1@106,36.7
NetR47_1: R47.1 R49.2 | length 1.5
  TOP w0.305: R49.2@36.4,43.32 36.41,43.31 36.41,41.86 R47.1@36.42,41.85
OTG_USB_D_N: D14.1 J13.2 M1.109 | length 58.4
  TOP w0.107: 83.149,72.35 83.343,72.156 v1(83.343,72.087) ; v1(99.363,56.134) 99.295,56.134 99.1,55.94 98.487,55.94 98.016,55.468 98.016,38.132 98.632,37.516 98.934,37.516 99.3,37.15 D14.1@99.3,36.65 99.525,36.65 99.747,36.872 99.747,37.354 99.85,37.458 100.35,37.458 100.733,37.075 100.733,31.112 100.722,31.101 100.722,30.585 J13.2@100.55,30.413
  TOP w0.114: 83.157,72.35 83.157,72.693 83.946,73.483 83.946,75.715 83.957,75.726 83.957,76.507 M1.109@84.05,76.6
  L4_SIG w0.109: v1(83.343,72.087) 83.343,72.013 83.154,71.823 83.154,71.539 98.748,55.945 99.1,55.945 99.289,56.134 v1(99.363,56.134)
OTG_USB_D_P: D14.2 J13.3 M1.111 | length 58.3
  TOP w0.107: v1(82.67,72.087) 82.67,72.156 82.864,72.35 ; v1(99.363,55.461) 99.295,55.461 99.1,55.655 98.605,55.655 98.3,55.35 98.3,38.25 98.75,37.8 98.95,37.8 99.3,38.15 D14.2@99.3,38.55 99.525,38.55 99.747,38.328 99.747,37.846 99.85,37.742 100.458,37.742 101.017,37.183 101.017,31.112 101.028,31.101 101.028,30.585 J13.3@101.2,30.413
  TOP w0.114: 82.864,72.35 82.864,72.814 83.654,73.604 83.654,75.715 83.643,75.726 83.643,76.507 M1.111@83.55,76.6
  L4_SIG w0.109: v1(82.67,72.087) 82.67,72.013 82.859,71.823 82.859,71.417 98.626,55.65 99.1,55.65 99.289,55.461 v1(99.363,55.461)
OTG_USB_VBUS: M1.87 Q3.3 | length 70.2
  TOP w0.102: v1@89.35,75.05 89.35,75.4 89.55,75.6 M1.87@89.55,76.6 ; v1(100.35,39.35) 103.15,39.35 104.1,38.4 Q3.3@104.1,37.65
  BOTTOM w0.102: v1(89.352,75.045) 89.352,74.498 89.608,74.242 92.292,74.242 94.1,76.05 108.3,76.05 109.15,75.2 109.15,67.65 112.35,64.45 112.35,55.4 105.15,48.2 105.15,44.15 v1(100.35,39.35)